# Altium PCB LinuxMini_ExtraBoard.PcbDoc (part 1 of 3) (continued)
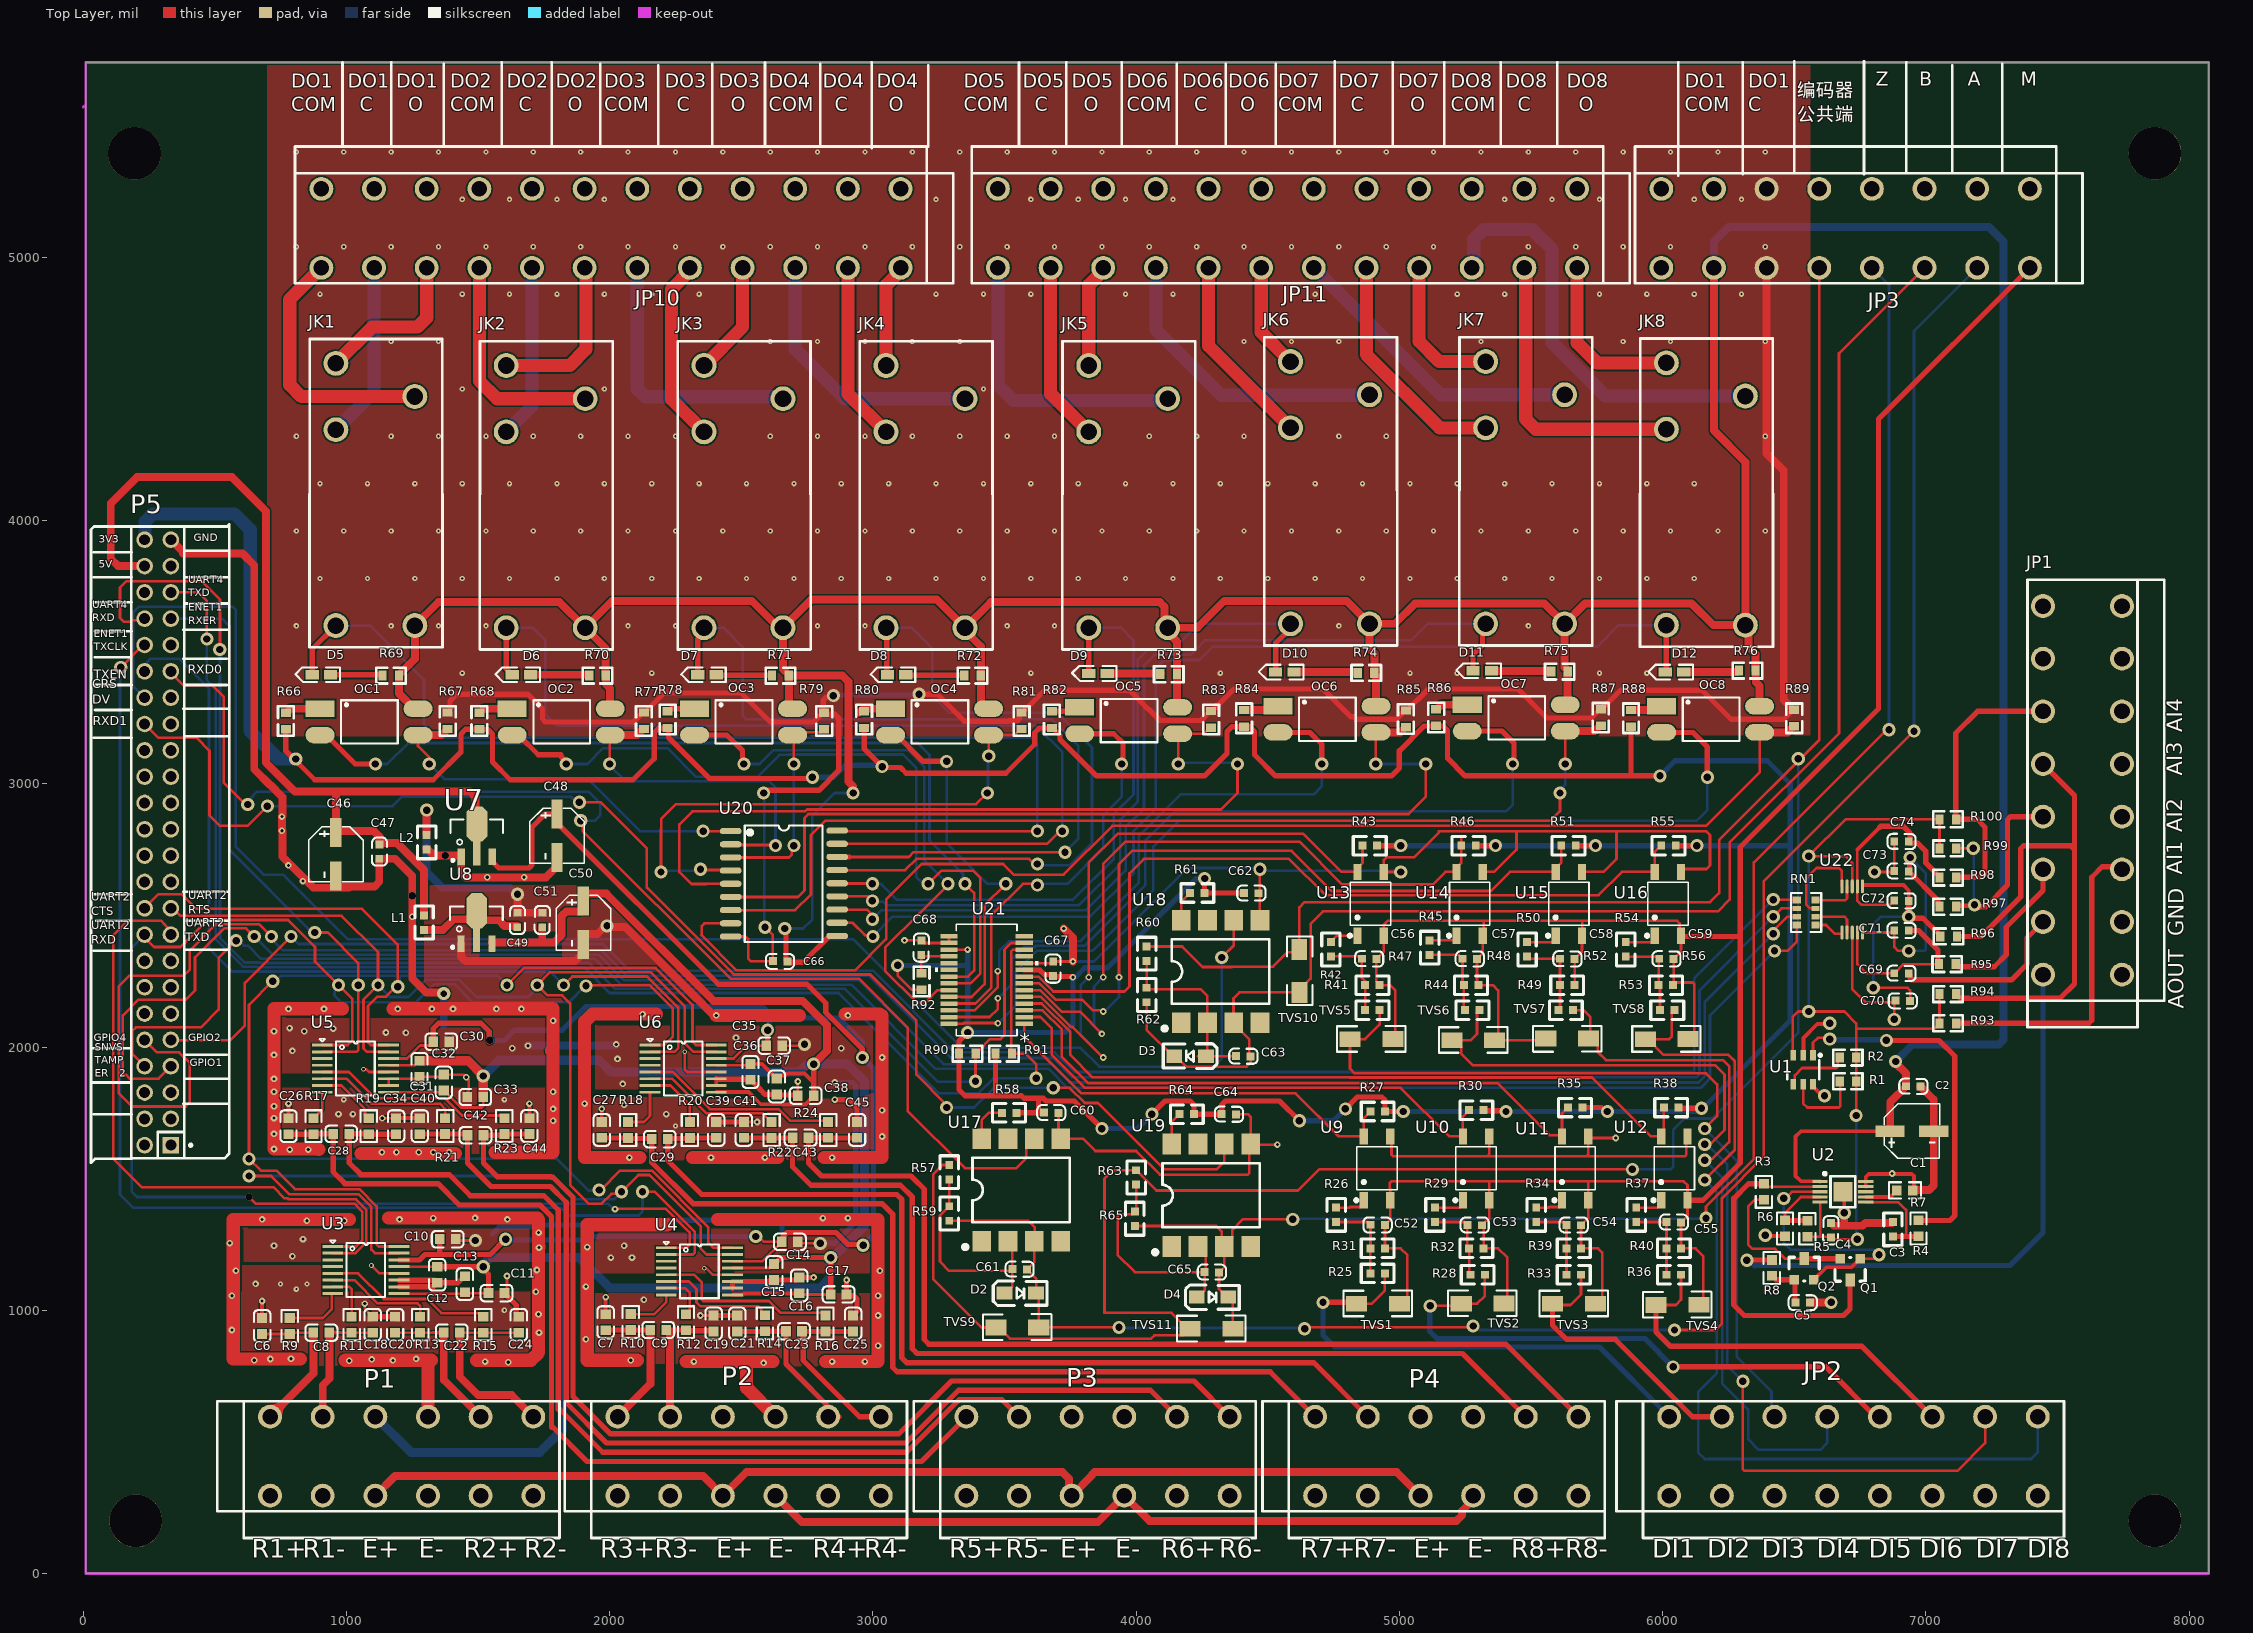
[diagram p0: Top Layer view]
## Components (designator, comment, footprint, x,y, rotation, side; value= is the part's Value field where it differs from the comment) (continued)
R44 "10K" 0603 5305,2140 r180 top locked
R45 "10K" 0603 5115,2350 r90 top locked
R46 "10K" 0603 5290,2765 r180 top locked
R47 "10K" 0603 4925,2235 r180 top locked
R48 "10K" 0603 5300,2235 r180 top locked
R49 "10K" 0603 5660,2140 r180 top locked
R50 "10K" 0603 5485,2343.23 r90 top locked
R51 "10K" 0603 5670,2765 r180 top locked
R52 "10K" 0603 5665,2235 r180 top locked
R53 "10K" 0603 6045,2140 r180 top locked
R54 "10K" 0603 5860,2343.23 r90 top locked
R55 "10K" 0603 6050,2765 r180 top locked
R56 "10K" 0603 6040,2235 r180 top locked
R57 "10K" 0603 3290,1497 r90 top locked
R58 "10K" 0603 3545,1750 r180 top locked
R59 "10K" 0603 3290,1340 r90 top locked
R60 "10K" 0603 4040,2327 r90 top locked
R61 "10K" 0603 4260,2585 r180 top locked
R62 "10K" 0603 4040,2170 r90 top locked
R63 "10K" 0603 4000,1477 r90 top locked
R64 "10K" 0603 4220,1745 r180 top locked
R65 "10K" 0603 3995,1320 r90 top locked
R66 "500R" 0603r 770,3270 r270 top locked value=1K
R67 "4.7K" 0603R 1385,3208 r90 top locked value=1K
R68 "500R" 0603r 1505,3270 r270 top locked value=1K
R69 "680R" 0603r 1200,3411 r180 top locked value=1K
R70 "680R" 0603r 1985,3411 r180 top locked value=1K
R71 "680R" 0603r 2680,3411 r180 top locked value=1K
R72 "680R" 0603r 3410,3411 r180 top locked value=1K
R73 "680R" 0603r 4155,3416 r180 top locked value=1K
R74 "680R" 0603r 4905,3421 r180 top locked value=1K
R75 "680R" 0603r 5640,3426 r180 top locked value=1K
R76 "680R" 0603r 6352.99,3430 r180 top locked value=1K
R77 "4.7K" 0603R 2130,3208 r90 top locked value=1K
R78 "500R" 0603r 2220,3275 r270 top locked value=1K
R79 "4.7K" 0603R 2815,3207.01 r90 top locked value=1K
R80 "500R" 0603r 2966.75,3275 r270 top locked value=1K
R81 "4.7K" 0603R 3565,3208 r90 top locked value=1K
R82 "500R" 0603r 3680,3275 r270 top locked value=1K
R83 "4.7K" 0603R 4285,3213 r90 top locked value=1K
R84 "500R" 0603r 4410,3280 r270 top locked value=1K
R85 "4.7K" 0603R 5025,3215 r90 top locked value=1K
R86 "500R" 0603r 5140,3282.99 r270 top locked value=1K
R87 "4.7K" 0603R 5765,3220 r90 top locked value=1K
R88 "500R" 0603r 5880,3280 r270 top locked value=1K
R89 "4.7K" 0603R 6500,3218 r90 top locked value=1K
R90 "500R" 0603r 3390.43,1974.98 r180 top locked value=1K
R91 "500R" 0603r 3528.43,1974.98 r180 top locked value=1K
R92 "500R" 0603r 3185,2280 r270 top locked value=1K
R93 "1M" 0603r 7115,2090 r180 top locked
R94 "1M" 0603r 7115,2200.71 r180 top locked
R95 "500" 0603r 7050,2315 r0 top locked
R96 "500" 0603r 7055,2420 r0 top locked
R97 "500" 0603r 7115,2532.86 r180 top locked
R98 "500" 0603r 7115,2643.57 r180 top locked
R99 "1M" 0603r 7115,2754.29 r180 top locked
R100 "1M" 0603r 7115,2865 r180 top locked
RN1 "排阻" RES_Network 6581.46,2463.18 r90 top locked
TVS1 "TVS" TVS 4788,1074 r0 top locked
TVS2 "TVS" TVS 5185.44,1074.51 r0 top locked
TVS3 "TVS" TVS 5532.44,1074 r0 top locked
TVS4 "TVS" TVS 5925.44,1069.51 r0 top locked
TVS5 "TVS" TVS 4763,2079 r0 top locked
TVS6 "TVS" TVS 5150,2075 r0 top locked
TVS7 "TVS" TVS 5768.16,1983 r180 top locked
TVS8 "TVS" TVS 5884.59,2079 r0 top locked
TVS9 "TVS" TVS 3418,984 r0 top locked
TVS10 "TVS" TVS 4669.51,2419.56 r270 top locked
TVS11 "TVS" TVS 4155.44,979 r0 top locked
U1 "MCP4725" MCP4725 6589.01,1858.89 r90 top locked
U2 "XTR111" XTR111 6614.82,1519.77 r270 top locked
U3 "AD7799" TSSOP16 948.03,1242.36 r0 top locked
U4 "AD7799" TSSOP16 2215,1237.36 r0 top locked
U5 "AD7799" TSSOP16 908.37,2007.36 r0 top locked
U6 "AD7799" TSSOP16 2153.37,2007.36 r0 top locked
U7 "HT7533-1" SOT89_M 1495,2803.49 r0 top locked
U8 "HT7533-1" SOT89_M 1494,2473.49 r0 top locked
U9 "IS181GB" TLP181 4994.82,1459.58 r90 top locked
U10 "IS181GB" TLP181 5371.25,1459.58 r90 top locked
U11 "IS181GB" TLP181 5747.68,1459.58 r90 top locked
U12 "IS181GB" TLP181 6124.1,1459.58 r90 top locked
U13 "IS181GB" TLP181 4970.53,2464.58 r90 top locked
U14 "IS181GB" TLP181 5346.96,2464.58 r90 top locked
U15 "IS181GB" TLP181 5723.39,2464.58 r90 top locked
U16 "IS181GB" TLP181 6099.82,2464.58 r90 top locked
U17 "PS8601" SMD-8_6.3mm 3563.35,1456.75 r0 top locked
U18 "PS8601" SMD-8_6.3mm 4320.85,2286.75 r0 top locked
U19 "PS8601" SMD-8_6.3mm 4285,1436.75 r0 top locked
U20 "ULN2803A" "SOP18 - 300mil" 2458.19,2820 r0 top locked
U21 "MCP23017-E/SS" SSOP28_MC_MCH 3432.17,2254.57 r180 top locked
U22 "Ads1118" ADS1118 6790.31,2397.4 r90 top locked

## Footprints (in the part's own frame and the unit in brackets; to place one, negate y for a bottom-side part, rotate by r counter-clockwise, add the part's x,y. Pads: shape width x height; smd on the part's side, far side on the other; paste and mask are expansions set on the pad)
0603 [mil]
  rect 30x30 smd: 1(0,0) 2(55,0)
  silkscreen extent -35,-35 90,35
0603_C [mm]
  rect 0.93x0.98 smd: 1(-0.77,0) 2(0.77,0)
  silkscreen extent -1.53,-0.79 1.54,0.79, body extent -0.8,-0.4 0.8,0.4, height 0.3
0603_R [mm]
  rect 0.93x0.98 smd: 1(-0.77,0) 2(0.77,0)
  silkscreen extent -1.53,-0.79 1.54,0.79, body extent -0.85,-0.4 0.85,0.4, height 0.56
0603c [mil]
  rect 30x30 smd: 1(0.21,-0.35) 2(55.21,-1.35)
  silkscreen extent -26,-30 81,28, body extent -1,-15 62,17, height 12
0603C [mil]
  rect 30x30 smd: 1(0.21,-0.35) 2(55.21,-1.35)
  silkscreen extent -26,-30 81,28, body extent -1,-15 62,17, height 12
0603r [mm]
  rect 0.8x0.965 smd: 1(0,0) 2(1.6,0)
  silkscreen extent -0.64,-0.76 2.21,0.76, body extent -0.04,-0.41 1.56,0.41, height 0.45
0603R [mm]
  rect 0.8x0.965 smd: 1(0,0) 2(1.6,0)
  silkscreen extent -0.64,-0.76 2.21,0.76, body extent -0.04,-0.41 1.56,0.41, height 0.45
ADS1118 [mm]
  oval 1.35x0.3 smd paste+0 mask+0.051: 1(0.95,2.778) 2(0.95,2.278) 3(0.95,1.778) 4(0.95,1.278) 5(0.95,0.778) 6(5.4,0.778) 7(5.4,1.278) 8(5.4,1.778) 9(5.4,2.278) 10(5.4,2.778)
CC5.05.4 [mm]
  rect 2.8x1.1 smd: 1(1.4,0.663) 2(5.6,0.663)
  silkscreen extent 0.84,-1.96 6.16,3.31
DB142V-5.08-6P [mm]
  round 2.3 hole 1.5: 1(0,-7.604) 1(0,0.016) 2(5.08,-7.604) 2(5.08,0.016) 3(10.16,-7.604) 3(10.16,0.016) 4(15.24,-7.604) 4(15.24,0.016) 5(20.32,-7.604) 5(20.32,0.016) 6(25.4,-7.604) 6(25.4,0.016)
  silkscreen extent -5.08,-11.68 27.93,1.52
DB142V-5.08-8P [mm]
  round 2.3 hole 1.5: 1(0.127,0.016) 1(0.127,-7.604) 2(5.207,0.016) 2(5.207,-7.604) 3(10.287,-7.604) 3(10.287,0.016) 4(15.367,-7.604) 4(15.367,0.016) 5(20.447,-7.604) 5(20.447,0.016) 6(25.527,-7.604) 6(25.527,0.016) 7(30.607,-7.604) 7(30.607,0.016) 8(35.687,-7.604) 8(35.687,0.016)
  silkscreen extent -4.95,-11.68 38.22,1.52
DB142V-5.08-12P [mm]
  round 2.3 hole 1.5: 1(0,0) 1(0,-7.62) 2(5.08,0) 2(5.08,-7.62) 3(10.16,0) 3(10.16,-7.62) 4(15.24,-7.62) 4(15.24,0) 5(20.32,-7.62) 5(20.32,0) 6(25.4,-7.62) 6(25.4,0) 7(30.48,-7.62) 7(30.48,0) 8(35.56,-7.62) 8(35.56,0) 9(40.64,-7.62) 9(40.64,0) 10(45.72,-7.62) 10(45.72,0) 11(50.8,-7.62) 11(50.8,0) 12(55.88,-7.62) 12(55.88,0)
  silkscreen extent -5.08,-11.7 58.42,1.5
HDR2X24_2 [mm]
  rect 1.6x1.6 hole 1.05: 1(1.27,1.27)
  round 1.6 hole 1.05: 2(1.27,3.81) 3(3.81,1.27) 4(3.81,3.81) 5(6.35,1.27) 6(6.35,3.81) 7(8.89,1.27) 8(8.89,3.81) 9(11.43,1.27) 10(11.43,3.81) 11(13.97,1.27) 12(13.97,3.81) 13(16.51,1.27) 14(16.51,3.81) 15(19.05,1.27) 16(19.05,3.81) 17(21.59,1.27) 18(21.59,3.81) 19(24.13,1.27) 20(24.13,3.81) 21(26.67,1.27) 22(26.67,3.81) 23(29.21,1.27) 24(29.21,3.81) 25(31.75,1.27) 26(31.75,3.81) 27(34.29,1.27) 28(34.29,3.81) 29(36.83,1.27) 30(36.83,3.81) 31(39.37,1.27) 32(39.37,3.81) 33(41.91,1.27) 34(41.91,3.81) 35(44.45,1.27) 36(44.45,3.81) 37(46.99,1.27) 38(46.99,3.81) 39(49.53,1.27) 40(49.53,3.81) 41(52.07,1.27) 42(52.07,3.81) 43(54.61,1.27) 44(54.61,3.81) 45(57.15,1.27) 46(57.15,3.81) 47(59.69,1.27) 48(59.69,3.81)
  silkscreen extent 0,-0.76 60.96,5.08
JS-12-K [mm]
  round 2.4 hole 1.6: 1(25.241,0) 2(18.841,0) 3(-0.059,0) 4(-0.059,-7.62) 5(22.041,-7.62)
  silkscreen extent -2.16,-10.29 27.59,2.54
LED-0603G [mil]
  rect 50x35 smd: 1(0,0.26) 2(70,0.26)
  silkscreen extent -36,-28 134,28, body extent 4,-15 66,17, height 24
MCP4725 [mm]
  rect 1x0.55 smd: 1(2.792,0.447) 2(2.792,1.397) 3(2.792,2.347) 4(-0.008,2.347) 5(-0.008,1.397) 6(-0.008,0.447)
  silkscreen extent 0.49,-0.38 2.92,2.95
RES_Network [mm]
  rect 0.65x0.8 smd: 1(0.008,0.015) 4(2.408,0.015) 5(2.408,1.815) 8(0.008,1.815)
  rect 0.5x0.8 smd: 2(0.808,0.015) 3(1.608,0.015) 6(1.608,1.815) 7(0.808,1.815)
  silkscreen extent -0.66,-0.54 3.08,2.39
SMD-8_6.3mm [mm]
  rect 1.8x2 smd: 1(-3.81,-4.95) 2(-1.27,-4.95) 3(1.27,-4.95) 4(3.81,-4.95) 5(3.81,4.95) 6(1.27,4.95) 7(-1.27,4.95) 8(-3.81,4.95)
  silkscreen extent -5.6,-5.7 4.7,3.1
SMD_PC817 [mm]
  rect 2.8x1.6 smd mask+0: 1(0,0)
  oval 2.8x1.6 smd mask+0: 2(0,-2.54) 3(9.452,-2.54) 4(9.452,0)
  silkscreen extent 2.03,-3.36 7.49,0.82
"SOP18 - 300mil" [mm]
  oval 2.1x0.6 smd: 1(0.046,0) 2(0.046,-1.27) 3(0.046,-2.54) 4(0.046,-3.81) 5(0.046,-5.08) 6(0.046,-6.35) 7(0.046,-7.62) 8(0.046,-8.89) 9(0.046,-10.16) 10(10.317,-10.109) 11(10.317,-8.839) 12(10.317,-7.569) 13(10.317,-6.299) 14(10.317,-5.029) 15(10.317,-3.759) 16(10.317,-2.489) 17(10.317,-1.219) 18(10.317,0.051)
  silkscreen extent 1.4,-10.72 8.9,0.56
SOT89_M [mm] "4.6x4.3x1.6mm(长宽高)"
  rect 0.7x1.6 smd: 1(-1.5,-2.054) 3(1.5,-2.054)
  rect 0.7x2.4 smd: 2(0,-1.676)
  oct 2x3.4 smd: 2(0.025,1.118)
  silkscreen extent -2.54,-2.52 2.54,1.52, body extent -2.3,-2.4 2.3,1.9, height 1.6
SOT-23 [mil]
  rect 36x36 smd: 1(-40,-80) 2(35,-80)
  rect 36x50 smd: 3(-2,0)
  silkscreen extent -60,-85 55,5
SSOP28_MC_MCH [mil]
  rect 65.18x17 smd paste+0 mask+0: 1(-142.83,166.34) 2(-142.83,140.75) 3(-142.83,115.16) 4(-142.83,89.57) 5(-142.83,63.98) 6(-142.83,38.39) 7(-142.83,12.8) 8(-142.83,-12.8) 9(-142.83,-38.39) 10(-142.83,-63.98) 11(-142.83,-89.57) 12(-142.83,-115.16) 13(-142.83,-140.75) 14(-142.83,-166.34) 15(142.83,-166.34) 16(142.83,-140.75) 17(142.83,-115.16) 18(142.83,-89.57) 19(142.83,-63.98) 20(142.83,-38.39) 21(142.83,-12.8) 22(142.83,12.8) 23(142.83,38.39) 24(142.83,63.98) 25(142.83,89.57) 26(142.83,115.16) 27(142.83,140.75) 28(142.83,166.34)
  silkscreen extent -195,-212 195,212
TLP181 [mm]
  rect 1.56x0.8 smd: 1(-1.062,3.297) 2(-1.062,0.757) 3(5.098,0.757) 4(5.098,3.297)
  silkscreen extent -1.21,0.08 4.09,4.18
TSSOP16 [mm]
  rect 2x0.28 smd: 1(0,0) 2(0,-0.65) 3(0,-1.3) 4(0,-1.95) 5(0,-2.6) 6(0,-3.25) 7(0,-3.9) 8(0,-4.55) 9(6.4,-4.55) 10(6.4,-3.9) 11(6.4,-3.25) 12(6.4,-2.6) 13(6.4,-1.95) 14(6.4,-1.3) 15(6.4,-0.65) 16(6.4,0)
  silkscreen extent -0.3,-4.87 5.06,0.6
TVS [mil]
  rect 80x60 smd: 1(212,-49) 2(49.56,-49.51)
  silkscreen extent 0,-97 260,1
XTR111 [mm]
  rect 0.3x1.45 smd: 1(0.773,-0.418) 2(1.273,-0.418) 3(1.773,-0.418) 4(2.273,-0.418) 5(2.774,-0.418) 6(2.774,3.984) 7(2.273,3.984) 8(1.773,3.984) 9(1.273,3.984) 10(0.773,3.984)
  rect 1.89x1.83 smd: 11(1.772,1.783)
  silkscreen extent -0.13,-0.12 3.27,2.98
贴片二极管 [mil]
  rect 60x50 smd: 1(120,0) 2(0,0)
  silkscreen extent -42,-46 162,47

## Part data
C1: library part "Cap Pol1", "Polarized Capacitor (Radial)", LatestRevisionDate=17-Jul-2002, LatestRevisionNote="Re-released for DXP Platform.", PackageDescription="Polarized Capacitor (Radial); 2 Leads", PackageReference=RB7.6-15, Published=8-Jun-2000, Publisher="Altium Limited"
C2 C4 C5: library part Cap, "Capacitor", LatestRevisionDate=17-Jul-2002, LatestRevisionNote="Re-released for DXP Platform.", PackageDescription="Radial Cap, Thru-Hole; 2 Leads; 0.3 in Pin Spacing", PackageReference=RAD-0.3, Published=8-Jun-2000, Publisher="Altium Limited"
C3 C69 C70 C71 C72 C73 C74: library part "Cap Smd", "Capacitor"
C6 C7 C18 C19 C20 C21 C24 C25 C26 C27 C34 C39 C40 C41 C44 C45: "Capacitor"
C8 C9 C10 C11 C12 C13 C14 C15 C16 C17 C22 C23 C28 C29 C30 C31 C32 C33 C35 C36 C37 C38 C42 C43 C47 C49 C51 C52 C53 C54 C55 C56 C57 C58 C59 C60 C61 C62 C63 C64 C65 C66 C67 C68: library part CAP, "Capacitor"
  C47 C49 C51: LatestRevisionDate=17-Jul-2002, LatestRevisionNote="Re-released for DXP Platform.", PackageDescription="Radial Cap, Thru-Hole; 2 Leads; 0.3 in Pin Spacing", PackageReference=RAD-0.3, Published=8-Jun-2000, Publisher="Altium Limited"
  C52 C53 C54 C55 C56 C57 C58 C59 C60 C61 C62 C63 C64 C65 C66 C67 C68: LatestRevisionDate=17-Jul-2002, LatestRevisionNote="Re-released for DXP Platform.", PackageReference=RAD-0.3, Published=8-Jun-2000, Publisher="Altium Limited"
C46 C48 C50: library part ELECTRO1, "Electrolytic Capacitor"
D2 D3 D4: "Diode"
D5 D6 D7 D8 D9 D10 D11 D12: "LED 发光二极管"
JK1 JK2 JK3 JK4 JK5 JK6 JK7 JK8: "12V一组转换"
JP10 JP11: library part DB142V-5.08-12P
L1 L2: library part FUSE1, "Fuse"
OC1 OC2 OC3 OC4 OC5 OC6 OC7 OC8: library part EL357N, "线性光耦"
P1 P2 P3 P4: "Connector"
P5: "Header, 24-Pin, Dual row", LatestRevisionDate=17-Jul-2002, LatestRevisionNote="Re-released for DXP Platform.", Publisher="Altium Limited"
Q1: library part PNP, "PNP Bipolar Transistor", LatestRevisionDate=29-May-2009, LatestRevisionNote="IPC-7351 Footprint Added.", PackageDescription="3-Pin SOT-23 Package 0.95 mm Pitch, 2.4 mm Lead Span", PackageReference=SOT-23B, PackageVersion=Aug-1999, Published=8-Jun-2000, Publisher="Altium Limited"
Q2: library part MOSFET-P, "P-Channel MOSFET", LatestRevisionDate=17-Jul-2002, LatestRevisionNote="Re-released for DXP Platform.", PackageDescription="TO, Flat Index; 3 In-Line, Axial Leads; Body Dia. 4.6mm; Lead Dia. 0.5 mm (max)", PackageReference=E3, PackageVersion=1995/1996, Published=8-Jun-2000, Publisher="Altium Limited"
R1 R2 R66 R67 R68 R69 R70 R71 R72 R73 R74 R75 R76 R77 R78 R79 R80 R81 R82 R83 R84 R85 R86 R87 R88 R89 R90 R91 R92: library part RES, "Resistor", Published=8-Jun-2000, Publisher="Altium Limited", Revision="July-2002: Re-released for DXP Platform."
R3 R4 R5 R6 R7 R8 R93 R94 R95 R96 R97 R98 R99 R100: library part Res2, "Resistor", LatestRevisionDate=17-Jul-2002, LatestRevisionNote="Re-released for DXP Platform.", PackageDescription="Axial Device, Thru-Hole; 2 Leads; 0.4 in Pin Spacing", PackageReference=AXIAL-0.4, Published=8-Jun-2000, Publisher="Altium Limited"
R9 R10 R11 R12 R13 R14 R15 R16 R17 R18 R19 R20 R21 R22 R23 R24 R25 R26 R27 R28 R29 R30 R31 R32 R33 R34 R35 R36 R37 R38 R39 R40 R41 R42 R43 R44 R45 R46 R47 R48 R49 R50 R51 R52 R53 R54 R55 R56 R57 R58 R59 R60 R61 R62 R63 R64 R65: library part RES1
RN1: library part Res_Network
U1: library part MCP4725A0T-E/CH, BOM_JLCPCB Part Class="Extended Part", BOM_Manufacturer=MICROCHIP, BOM_Manufacturer Part=MCP4725A0T-E/CH, BOM_Supplier=LCSC, BOM_Supplier Part=C144198, Contributor=LCSC, spicePre=U, spiceSymbolName=MCP4725A0T-E/CH
U9 U10 U11 U12 U13 U14 U15 U16: BOM_JLCPCB Part Class="Extended Part", BOM_Manufacturer=ISOCOM, BOM_Manufacturer Part=IS181GB, BOM_Supplier=LCSC, BOM_Supplier Part=C84196, spicePre=U, spiceSymbolName=IS181GB
U17 U18 U19: "High speed optocoupler"
U20: "8 channels Darlington"
U21: "No Description Available", Mfr_Name=Microchip, Copyright="Copyright (C) 2021 Ultra Librarian. All rights reserved.", Manufacturer_Part_Number=MCP23017-E/SS, RefDes=RefDes, Type=DEV

## Free pads (board coordinates)
  round 200 hole 200 unplated paste+0 mask+0: 3(7870,200) 5(195,5395) 5(200,200) 5(7870,5395)

## Via types
v1: diameter 20, hole 8, Top Layer to Bottom Layer, 497 vias
v2: diameter 50, hole 28, Top Layer to Bottom Layer, 155 vias
v3: diameter 25, hole 12, Top Layer to Bottom Layer, 142 vias
v4: diameter 28, hole 28, Top Layer to Bottom Layer, 4 vias
v5: diameter 17, hole 10, Top Layer to Bottom Layer, 2 vias
v6: diameter 18, hole 10, Top Layer to Bottom Layer, 2 vias
v7: diameter 25, hole 10, Top Layer to Bottom Layer, 1 vias
v8: diameter 50, hole 25, Top Layer to Bottom Layer, 1 vias

## Nets (pads, with @x,y where several pads share a name; then routed paths per layer and width w, separated by ;. In a path a pad name is that pad's centre, name@x,y a point inside that pad or via, vN(x,y) a via of type N, cw(c..) or ccw(c..) an arc to the next point about the centre after c; other vN are vias at no path point)
3V3: C60.2 C62.2 C64.2 C67.2 P5.48 R27.1 R30.1 R35.1 R38.1 R43.1 R46.1 R51.1 R55.1 R58.1 R61.1 R64.1 R66.2 R68.2 R78.2 R80.2 R82.2 R84.2 R86.2 R88.2 R90.2 R91.2 R92.2 U21.9 U21.17 | length 18514.4
  Top Layer w10: v2(3094,2310) 3095,2309 3095,2270 3147.99,2217.01 R92.2@3185,2217.01 R92.2@3188.25,2217.01 ; U21.17@3289.35,2369.72 3289.48,2369.86 3359.86,2369.86 v3(3360,2370)
  Top Layer w20: R66.2@770,3207.01 770,3125 880,3015 1330,3015 1435,3120 1435,3189.43 1452.57,3207.01 R68.2@1505,3207.01 1505.75,3206.26 1537.31,3206.26 1554.88,3188.69 1554.88,3082.69 1622.57,3015 2089,3015 2169,3095 2169,3193.69 2186.57,3211.26 2219.25,3211.26 R78.2@2220,3212.01 2223.25,3212.01 2224,3211.26 2224,3176 2380,3020 2765,3020 v2(2770,3025) ; R80.2@2970,3212.01 R80.2@2966.75,3212.01 2966.75,3133.25 v2(3035,3065) 3038.27,3061.73 3105,3061.73 3126.73,3040 3504.74,3040 3615,3150.26 3615,3194.43 3632.57,3212.01 R82.2@3680,3212.01 3683.25,3212.01 3710.61,3184.65 3710.61,3168.67 3849.28,3030 4260,3030 4345,3115 4345,3198.69 4362.57,3216.26 4406,3216.26 4406,3213.01 R84.2@4405,3212.01 ; v2(3360,2055) 3327.44,2022.44 R90.2@3327.44,1974.98 3327.44,1837.56 3350,1815 3465,1815 ; R91.2@3465.43,1974.98 3465.43,1815.43 3465,1815 ; R58.1@3545.5,1750.5 3620,1750.5 ; U21.9@3575,2292.95 3633.46,2292.95 3651.41,2275 3679,2275 C67.2@3684,2270 3686.5,2267.5 v3@3762.5,2267.5 ; 3629.26,1799.26 3629.26,1759.76 3620,1750.5 ; C60.2@3650,1751 3649.5,1750.5 3620,1750.5 ; v2(3870,1690) 3765,1795 3657.5,1795 3647.5,1805 3575,1805 3565,1815 3465,1815 ; v2(4060,1745) 4110,1795 4205,1795 4220,1780 R64.1@4220,1745 C64.2@4325,1745 4325,1780 4340,1795 4545,1795 v2(4620,1720) ; v2(4260,2640) R61.1@4260,2585 C62.2@4410,2585 ; R84.2@4410,3217.01 4410.75,3216.26 4432.43,3216.26 4450,3198.69 4450,3110 4530,3030 4970,3030 5000,3060 5000,3125 5094.25,3219.25 5139.25,3219.25 R86.2@5140,3220 5140.75,3219.25 5165.18,3219.25 5182.75,3201.68 5182.75,3097.25 5250,3030 5875,3030 ; v2(4795,1765) 4840,1810 4933.28,1810 4945,1798.28 R27.1@4945,1755 v2(5015,1755) ; R43.1@4915,2765 v2(5005,2765) ; R46.1@5290,2765 v2(5365,2765) ; R30.1@5320,1760 5322.5,1757.5 5402.5,1757.5 v2(5405,1755) ; R51.1@5670,2765 v2(5745,2765) ; R35.1@5695,1770 5766.88,1770 ; R88.2@5880,3217.01 5880,3035 5875,3030 ; v2(5990,3030) 5875,3030 ; R55.1@6050,2765 v2(6130,2765) ; R38.1@6060,1770 6062.5,1767.5 v2(6147.5,1767.5)
  Bottom Layer w10: 4230,2640 v2(4260,2640)
  Bottom Layer w20: v2(2770,3025) 2850,3025 2895,3070 3024.59,3070 3029.59,3065 v2(3035,3065) ; v2(3094,2310) 3360,2310 ; v3(3360,2370) 3360,2310 ; v2(3870,1690) 4005,1690 v2(4060,1745) ; 4230,2640 3891,2301 3805,2301 3769,2265 v3(3760,2265) 3760,2085 3730,2055 v2(3360,2055) 3360,2310 ; v2(4620,1720) 4750,1720 v2(4795,1765) ; v2(5005,2765) v2(5365,2765) v2(5745,2765) v2(6130,2765) 6485,2765 ; v2(5015,1755) v2(5405,1755) v2(5790,1755) v2@6126.88,1755 ; v2(5990,3030) 6047.5,3087.5 6397.5,3087.5 6485,3000 6485,2765 ; v2@6152.5,1767.5 6485,2100 6485,2765
  Bottom Layer w50: P5.48@233.39,3927.05 235,3928.66 235,3995.71 264.29,4025 575,4025 635,3965 635,3200 740.82,3094.18 v2(807.38,3094.18)
4-20: JP1.1 R8.2 | length 2261.3
  Top Layer w20: v2(6320,1190) 6320.49,1190.49 6414.51,1190.49 R8.2@6415,1190.98
  Bottom Layer w20: v2(6320,1190) 6328.12,1190 6349.12,1169 6350.12,1170 7320,1170 7445,1295 JP1.1@7445,2275
5V: C46.1 C47.2 L1.1 P5.46 U7.2 | length 3681.7
  Top Layer w30: P5.46@233.39,3827.05 132.95,3827.05 105,3855 105,4065 205,4165 565,4165 695,4035 695,3080 805,2970 960,2970 ; C46.1@960,2815 C46.1@960,2820 ; L1.1@1295,2500 1295,2672.43 1192.43,2775 1126,2775 1126,2799 1105,2820 C46.1@960,2820 ; U7.2@1496,2847.49 1490,2853.49 1490,2950 1470,2970 960,2970 ; C46.1@960,2820 960,2970
+12_RELY: C1.1 C2.2 C66.2 JK1.4 JK2.4 JK3.4 JK4.4 JK5.4 JK6.4 JK7.4 JK8.4 JP3.7 OC1.4 OC2.4 OC3.4 OC4.4 OC5.4 OC6.4 OC7.4 OC8.4 R69.1 R70.1 R71.1 R72.1 R73.1 R74.1 R75.1 R76.1 U2.1 U20.10 | length 17147.8
  Top Layer w15: U2.1@6598.37,1489.32 6597.69,1490 6525,1490 6505,1510 6505,1660 6525,1680 C1.1@6864.66,1680
  Top Layer w20: v2(2665,2450) 2670,2445 2670,2330 C66.2@2675,2325 2677.85,2322.15 2735,2322.15 2834.85,2422 U20.10@2864.38,2422
  Top Layer w30: OC1.4@1272.12,3285 1257.43,3285 1200,3342.43 R69.1@1200,3411 1200,3414.25 1260,3474.24 JK1.4@1260,3600.91 1349.09,3690 1809.82,3690 JK2.4@1907.14,3592.68 ; OC2.4@2002.12,3285 2002.12,3361.5 1985.75,3377.87 1985.75,3410.25 R70.1@1985,3411 1985,3514.82 JK2.4@1907.14,3592.68 ; OC3.4@2718.62,3285 OC3.4@2695,3285 2680.75,3299.25 2680.75,3410.25 R71.1@2680,3411 ; v2@2925,2970 2925,2990 2907.11,3007.89 2907.11,3387.89 2884,3411 R71.1@2680,3411 ; OC4.4@3439.27,3285 3425.24,3285 3410,3300.24 R72.1@3410,3411 3410,3522.23 3350,3582.23 JK4.4@3350,3592.68 ; OC5.4@4157.84,3290 4155.75,3292.1 4155.75,3415.25 R73.1@4155,3416 4155,3540.23 4120,3575.23 JK5.4@4120,3592.68 ; OC6.4@4911.42,3295 4911.42,3411.34 4905,3417.75 R74.1@4905,3421 4905,3495 4886.43,3513.57 JK6.4@4886.43,3607.68 ; OC7.4@5629.99,3300 5639.25,3309.26 5639.25,3430 5627.86,3441.39 JK7.4@5627.86,3607.68 ; JP3.7@6195,4960 6195,4341.51 6314.28,4222.23 JK8.4@6314.28,3602.68 ; JK8.4@6331.73,3602.68 JK8.4@6314.28,3602.68 ; OC8.4@6368.56,3295 6368.56,3371.5 6353.74,3386.32 6353.74,3429.25 R76.1@6352.99,3430 6352.99,3494 6326.62,3520.36 6326.62,3590.34 JK8.4@6314.28,3602.68 ; C1.1@6864.66,1680 6864.66,1790.66 C2.2@6925,1851 6925,1899.59 6885,1939.59 v2(6885,1945) ; JK2.4@1907.14,3592.68 2009.46,3695 2540,3695 2642.32,3592.68 JK3.4@2658.57,3592.68 ; JK3.4@2658.57,3592.68 2658.57,3435.68 2680,3414.25 R71.1@2680,3411 ; JK3.4@2658.57,3592.68 2765.89,3700 3242.67,3700 JK4.4@3350,3592.68 ; JK4.4@3350,3592.68 3447.32,3690 4090,3690 4107.66,3672.34 4107.66,3605.02 JK5.4@4120,3592.68 ; JK5.4@4120,3592.68 4232.68,3592.68 4335,3695 4799.1,3695 JK6.4@4886.43,3607.68 ; JK6.4@4886.43,3607.68 4982.68,3607.68 5060,3685 5550.53,3685 JK7.4@5627.86,3607.68 ; JK7.4@5627.86,3607.68 5705.18,3685 6110,3685 6192.32,3602.68 JK8.4@6314.28,3602.68
  Bottom Layer w10: v2(2665,2450) 2735,2450 2770,2485 2770,2880 2855,2965 v2(2925,2965)
  Bottom Layer w30: JP3.7@6195,4960 6195,5060 6250,5115 7240,5115 7295,5060 7295,2027.57 7277.43,2010 6950,2010 v2(6885,1945)
A: C61.1 D2.2 JP3.2 R59.1 TVS9.1 U17.3 | length 7776.2
  Top Layer w10: R59.1@3290,1340 3590,1340 3615,1315 3615,1263.52 U17.3@3613.35,1261.87 3613.35,1183.91 C61.1@3584.79,1155.35 3620,1120.14 D2.2@3620,1065 3630,1055 TVS9.1@3630,935 v2(3935,935) ; v2(4640,930) 4645,935 5275,935 v2(5280,940) ; v2(6045,925) 6200,925 6225,950 6225,1425 6384,1584 6384,2629 v2(6955,3200)
  Bottom Layer w10: v2(3935,935) 3937.5,932.5 4637.5,932.5 v2(4640,930) ; v2(5280,940) 5290.82,940 5305.82,925 v2(6045,925) ; v2(6955,3200) 6955,4720 JP3.2@7195,4960
ANI0: JP1.3 R93.1 R95.2 | length 1796.5
  Top Layer w20: R93.1@7115,2090 7618.28,2090 7630,2101.72 7630,2645 7670,2685 7735,2685 JP1.3@7745,2675 ; R95.2@7115,2315 7115,2311.75 7120.75,2306 7124,2306 7125,2305 7260,2305 7305,2350 7305,2455 7445,2595 JP1.3@7445,2675
ANI0_S: C69.2 C71.1 R95.1 U22.4 | length 638.4
  Top Layer w10: U22.4@6740,2434.8 6740,2315 6775,2280 C69.2@6880,2280 6915,2315 R95.1@7050,2315
  Top Layer w20: C71.1@6934.94,2442.16 6972.84,2442.16 6979.97,2435.03 7046.26,2368.74 R95.1@7046.26,2330.84
ANI1: JP1.4 R97.1 R99.1 | length 972.5
  Top Layer w10: R99.1@7115,2754.29 7115.71,2755 v2(7180,2755) ; v2@7180,2532.86 R97.1@7115,2532.86 7122.14,2540 v2(7185,2540)
  Top Layer w20: v2@7180,2532.86 7227.86,2532.86 7310,2615 7310,2863.28 7321.72,2875 JP1.4@7445,2875
  Bottom Layer w10: v2(7180,2755) 7182.5,2752.5 7182.5,2542.5 v2(7185,2540)
ANI1_S: C71.2 C73.1 R97.2 U22.5 | length 927.3
  Top Layer w10: U22.5@6759.69,2434.8 6871.58,2434.8 C71.2@6879.94,2443.16 6880,2443.1 6880,2380 6895,2365 v2(6935,2365)
  Top Layer w20: v2(6940,2720) 6937.47,2717.47 6937.47,2669.92 C73.1@6934.94,2667.39 7046.26,2556.06 7046.26,2538.6 R97.2@7052.01,2532.86
  Bottom Layer w10: v2(6935,2365) 6994.14,2365 7000,2370.86 7000,2660 v2(6940,2720)
ANI2: JP1.5 R94.1 R96.2 | length 2069.4
  Top Layer w20: R94.1@7115,2200.71 7115,2197.47 7120.75,2191.72 7124,2191.72 7130.71,2185 7510,2185 7565,2240 7565,2750 ; R96.2@7117.99,2420 7210,2420 7360,2570 7360,2753.28 7371.72,2765 7550,2765 7565,2750 ; JP1.5@7445,3075 7565,2955 7565,2750
ANI2_S: C70.2 C72.1 R96.1 U22.6 | length 1018.7
  Top Layer w10: v2(6800,2225) 6930,2225 6940,2215 C70.2@6940,2175 C70.2@6940.55,2175.55
  Top Layer w15: U22.6@6761.28,2615 6915,2615 6934.94,2595.06 C72.1@6934.94,2554.77
  Top Layer w20: v2(6935,2495) C72.1@6934.97,2554.74 ; v2(6935,2495) 6940.74,2489.26 6988.99,2489.26 R96.1@7049.25,2429 ; R96.1@7049.25,2429 7049.25,2425.75 R96.1@7055,2420 7055,2423.25 R96.1@7049.25,2429
  Bottom Layer w10: v2(6800,2225) 6800,2465 6830,2495 v2(6935,2495)
ANI3: JP1.6 R98.1 R100.1 | length 1113.2
  Top Layer w10: R98.1@7115,2643.57 R98.1@7115,2646.82
  Top Layer w20: R98.1@7115,2646.82 7116.82,2645 7213.28,2645 7225,2656.72 7225,2835 7195,2865 R100.1@7115,2865 7113.28,2866.72 7113.28,3191.72 7196.57,3275 JP1.6@7445,3275
ANI3_S: C72.2 C74.1 R98.2 U22.7 | length 792
  Top Layer w10: 6740,2582.5 6740,2555 6755,2540 6864.16,2540 C72.2@6879.94,2555.77 ; U22.7@6740,2622 6740,2750
  Top Layer w15: 6740,2750 6825,2835
  Top Layer w20: 6825,2835 6828.28,2838.28 6915,2838.28 6915,2838.16 6939.94,2813.22 6939.94,2785 C74.1@6934.94,2780 6939.94,2775 6968.28,2775 7000,2743.28 7000,2698.83 7052.01,2646.82 R98.2@7052.01,2643.57
B: C63.1 D3.2 JP3.3 R62.1 TVS10.1 U18.3 | length 5692.9
  Top Layer w10: R62.1@4040,2170 4040,2065 4140,1965 D3.2@4145,1965 4150,1965 4190,1925 4420,1925 4434.79,1939.79 C63.1@4434.79,1964.41 ; 4430,1980 4430,2028.78 4370.85,2087.93 U18.3@4370.85,2091.87 4370,2092.71 4370,2185 4392.56,2207.56 TVS10.1@4620.51,2207.56 4620.51,2217.56 4662.76,2259.8 4662.76,2467.76 4710,2515 6210,2515 6255,2560 6255,2776.57 6670,3191.57 6670,4635 JP3.3@6995,4960
BGND: C6.2 C7.2 C11.2 C12.2 C13.2 C15.2 C16.2 C17.2 C18.2 C19.2 C20.2 C21.2 C24.2 C25.2 C26.2 C27.2 C31.2 C32.2 C33.2 C34.2 C36.2 C37.2 C38.2 C39.2 C40.2 C41.2 C44.2 C45.2 C49.2 C50.2 C51.1 L2.1 P1.4 P2.4 P3.4 P4.4 U3.10 U3.11 U4.10 U4.11 U5.10 U5.11 U6.10 U6.11 U8.1 | length 19138.6
  Top Layer w10: v3(1070,1025) 1070,1005.32 1085.71,989.61 1085.71,988.62 1099.02,975.32 C18.2@1100,975.32 ; v3(1136.49,1729.08) 1137.41,1730 1145,1730 1145.35,1729.65 C34.2@1188.83,1729.65 ; U5.10@1160.34,1853.82 U5.11@1160.34,1879.41 1160.85,1879.92 1269.57,1879.92 1276.67,1887.03 C31.2@1277.66,1887.03 1361.71,1887.03 C32.2@1370,1895.32 1370.32,1895 1445,1895 v3(1455,1885) 1465,1875 1465,1835.63 1459.37,1830 C33.2@1459.37,1810 ; v3@2350,980 C19.2@2395,980 ; C41.2@2510,1715.32 2554.68,1715.32 v3@2555,1715 ; C38.2@2714.37,1815 2715,1815.63 v3(2715,1869)
  Top Layer w12: C11.2@1600.63,1065 1610,1074.37 v3(1610,1130)
  Top Layer w15: C6.2@680,970.63 v3(680,1035) ; C26.2@780,1729.65 v3(780,1785) ; C34.2@1188.83,1729.65 C40.2@1278.91,1729.65 ; C44.2@1695,1730 v3(1695,1785) ; C27.2@1970,1715.32 v3(1970,1765) ; C7.2@1985,985 v3(1985,1050) ; U6.10@2404.97,1855.81 2404.97,1879.04 U6.11@2405.34,1879.41
  Top Layer w20: C18.2@1100,975.32 C20.2@1185,975.32 ; U3.10@1200,1088.82 1328.46,1088.82 1344.02,1104.37 C12.2@1345,1104.37 1423.74,1104.37 1446.4,1127.03 C13.2@1446.4,1133.24 ; U3.11@1200,1114.41 C12.2@1333.98,1114.41 ; C11.2@1600.63,1065 1600.63,1064.02 1645.71,1018.94 1645.71,983.62 1654.02,975.32 C24.2@1655,975.32 ; C19.2@2395,980 C21.2@2485,980 ; C39.2@2405,1715.32 C41.2@2510,1715.32 ; U6.11@2405.34,1879.41 2407.54,1877.2 2532.8,1877.2 C36.2@2535,1875 2535.98,1875 2572.58,1838.41 2572.58,1837.42 2590.31,1819.69 C37.2@2635,1819.69 2637.34,1817.34 2712.03,1817.34 C38.2@2714.37,1815 ; U4.10@2466.97,1083.82 U4.11@2466.97,1109.41 2604.41,1109.41 2605,1110 2620,1110 C15.2@2625,1115 C16.2@2709.37,1115 ; C16.2@2720,1124.65 2774.65,1124.65 v3(2775,1125) ; v3(2855,1800) 2910,1800 2940,1770 C45.2@2940,1715.32 ; v3(2900,1115) C17.2@2900,1060 2905,1055 2928.28,1055 2940,1043.28 2940,995 2934.29,989.29 2934.29,988.31 2925.98,980 C25.2@2925,980
  Top Layer w30: L2.1@1305,2810 v2@1305,2885 ; U8.1@1434.94,2392.61 1434.94,2343.57 1452.52,2326 1869.8,2326 1900,2356.2 C50.2@1900,2389.66 1900,2423.13 1906.65,2429.78 1954.37,2429.78 1984.59,2460 v2(1990,2460) 1993.83,2456.17 2059.24,2456.17 2395.41,2120 v3(2405,2120) ; v2(1650,2580) 1650,2515 1655,2510 C51.1@1735,2510 ; P2.4@2630,295.64 2730.64,195 3854.36,195 P3.4@3955,295.64 4050.64,200 5217.43,200 5238.64,221.21 5238.64,237.89 5280,279.25 P4.4@5280,295.64
  Top Layer w50: 825,815 570,815 570,1345 1010.63,1345 ; 895,1610 892.48,1612.52 v3(725,1612.52) v3(725,1670) v3(725,1730) v3(725,1775) v3(725,1830) v3(725,1878.76) v3(725,1970) v3(725,2060) 725,2145 v3(780,2145) v3(915,2145) 985,2145 ; 995,810 1322.52,810 1310,797.48 P1.4@1310,595.64 ; 1055,1595 1415,1595 ; 1160.34,1350 1201.69,1350 1611.69,1350 1725,1350 1730,1345 1730,1245.04 1731.69,1243.34 v3(1731.69,1238) 1730,1236.31 1730,1070.02 1730,985.02 1730,915.04 1730,839.29 1700.71,810 1614.67,810 1526.69,810 1495,810 ; 1177.52,2145 v3(1195,2145) v3(1325,2145) v3(1405,2145) v3(1570,2145) v3(1665,2145) 1785,2145 1782.5,2142.5 ; 1565,1600 1780,1600 ; 1780,1985 1785,1980 v3(1785,1765) v3(1785,1720) 1785,1600 ; 1780,1986 1785,1991 1785,2140 ; 2105,810 v3(2080,810) 1915,810 v3(1915,1240) 1915,1325 2180,1325 2220,1325 ; 2115,1580 v3(2075,1580) 1905,1580 1905,2095.71 1934.29,2125 v3(2125,2125) 2177.24,2125 ; 2290,805 v3(2320,805) 2520,805 ; 2315,1580 v3(2385,1580) v3(2590,1580) 2640,1580 ; v3(2405,2120) 2720,2120 ; 2410,1345 3020,1345 v3(3020,1055) 3020,805 v3(2845,805) 2820,805 ; 2620,805 2520,805 ; P2.4@2630,595.64 2520,705.64 2520,805 ; 2815,1580 v3(2845,1580) 3035,1580 3035,2119.53 ; v3@2894.2,2125 3025,2125
  Bottom Layer w30: v2(1305,2900) 1305,2665 1365,2605 1620,2605 1645,2580 v2(1650,2580)
  other v1: 1600,1000 810,1080 750,1100 850,1100 2250,1700 990,1800 1600,1800
  other v3: 2585,800 1614.67,802.18 1526.69,805.04 2969.89,805.02 1010.97,808.14 1176.56,809.46 649.89,810.02 1096.58,813.09 711.19,814.91 1265,815 789.68,815.56 3019.89,865.02 1910,890 1731.69,915.04 564.89,925.02 2345,980 3019.89,980.02 1729.89,985.02 2129.89,1040.02 564.89,1055.02 1719.89,1070.02 1909.89,1090.02 654.89,1100.02 580,1150 3026.69,1150.04 1723.74,1153.03 556.67,1254.83 1730,1295 849.89,1340.02 991.69,1340.04 679.89,1345.02 1201.69,1345.04 1611.69,1345.04 1329.89,1350.02 2809.89,1350.02 2904.89,1350.02 1489.14,1350.67 1135,1600 1190,1600 1275,1600 1330,1600 1390,1600 785,1610 855,1610 3034.89,1660.02 2560,1715 969.89,1745.02 1024.89,1745.02 2214.89,1745.02 3034.89,1760.02 2054.89,1780.02 1905,1785 1785,1830 3034.89,1960.02 1785,2100 2905,2120